# Allegro board EVK1_BM92T30-HOST-EVK-101_BRD_REV03_2016-02-26.brd
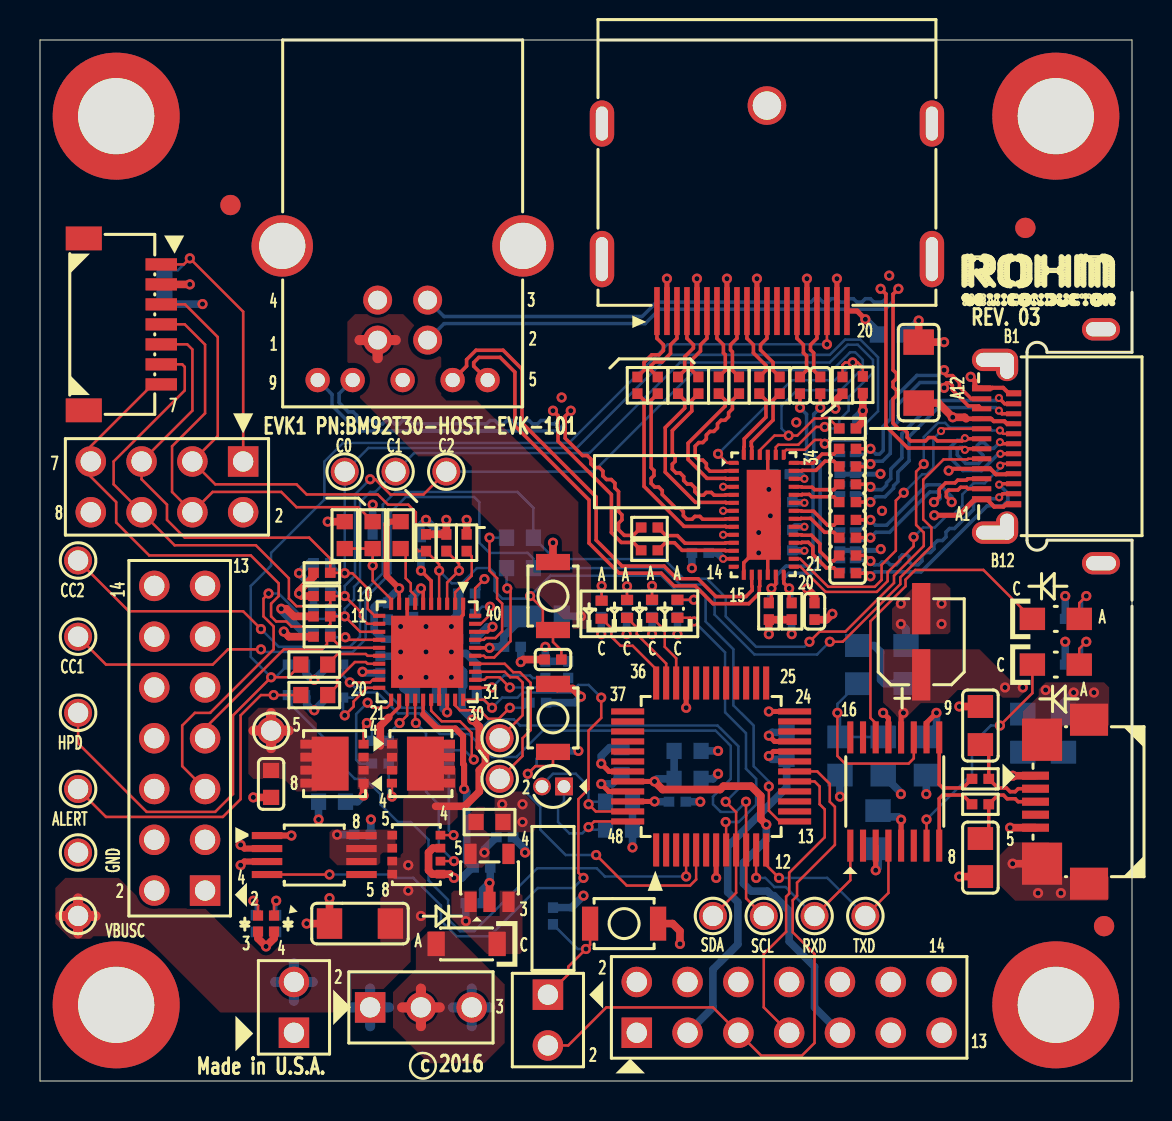
[diagram p0: board, top side]
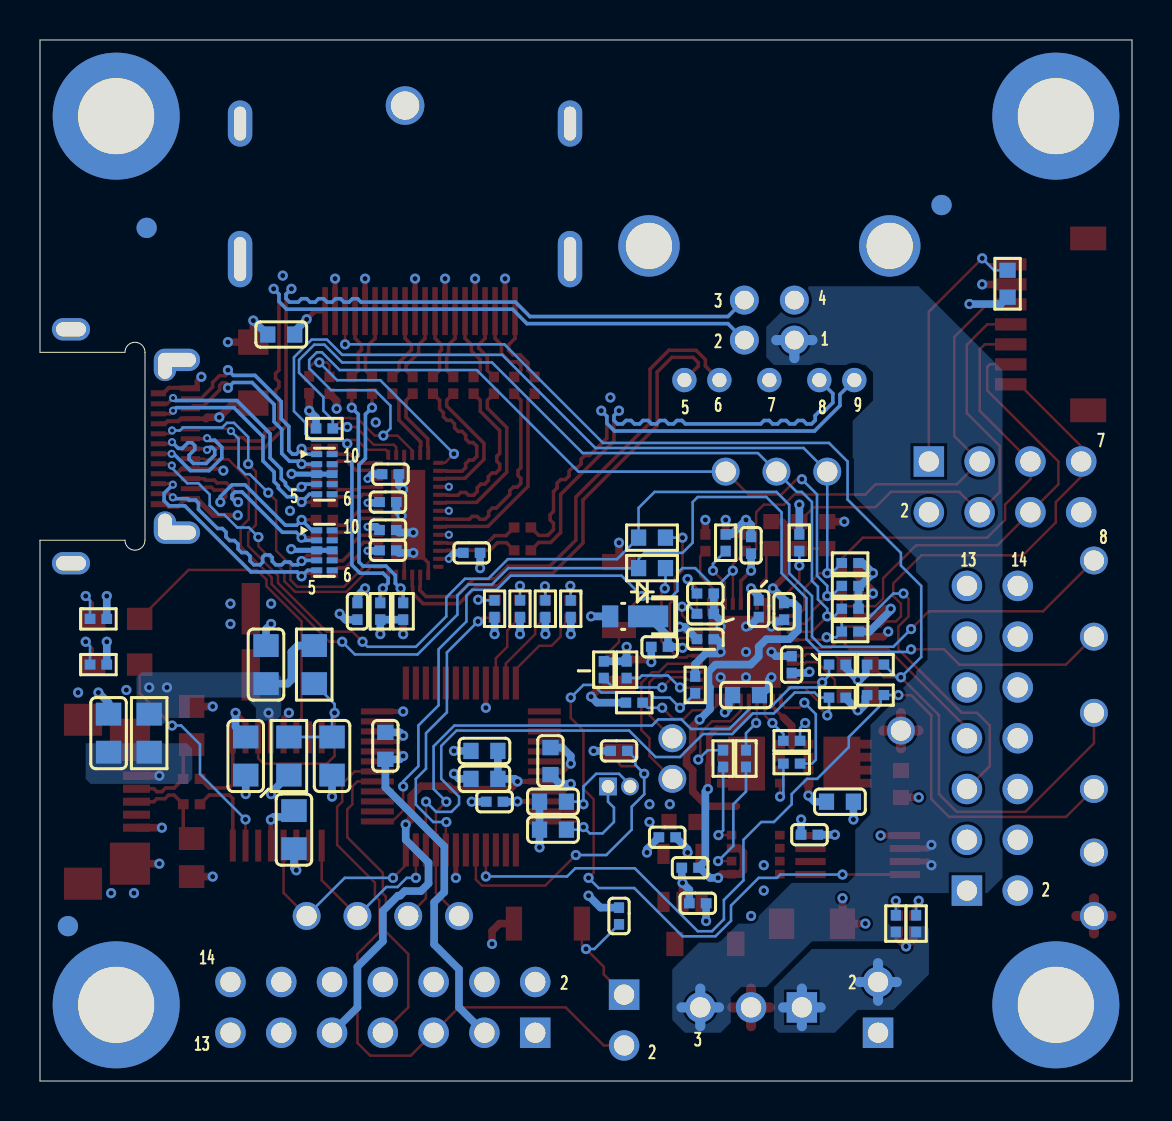
[diagram p1: board, bottom side, seen from below]

Outline 54.61 x 52.07 mm; copper layers: TOP, L2_GND, L3_PWR, BOTTOM. Coordinates in mm from the lower left corner of the outline.
Outline path: 0,52.07 0,0 54.61,0 54.61,27.05 50.36,27.05 arc(49.86,26.55) 49.36,27.05 49.36,36.45 arc(49.86,36.95) 50.36,36.45 54.61,36.45 54.61,52.07 0,52.07

## Design rules (mm)
net group AUX: nets AUX+ AUX-
net group AUX_C: nets N13959643 N13959647
net group D: nets D+ D-
net group D0: nets D0+ D0-
net group D0_R: nets D0N- D0P+
net group D1: nets D1+ D1-
net group D1_R: nets D1N- D1P+
net group D2: nets D2+ D2-
net group D2_R: nets D2N- D2P+
net group D3: nets D3+ D3-
net group D3_R: nets D3N- D3P+
net group PWR: nets VDDL VPP
net group RX: nets RX+ RX-
net group RX1: nets RX1+ RX1-
net group RX1_C: nets N13960469 N13960497
net group RX2: nets RX2+ RX2-
net group RX2_C: nets N13960387 N13960395
net group TX: nets TX+ TX-
net group TX1: nets TX1+ TX1-
net group TX1_C: nets N13960473 N13960481
net group TX2: nets TX2+ TX2-
net group TX2_C: nets N13960433 N13960453
net group TX_R: nets TXN- TXP+
net group USB: nets N13965575 N13965599
net group USB_R: nets N13965855 N13965859

## Placement (name value [footprint] x y rotation side)
C1  10uF  [C1206]  16 7.87 0 top
C2  0.47uF  [C0402]  23.24 12.19 180 bottom
C3  0.47uF  [C0402]  21.72 8.89 180 bottom
C5  0.01uF  [C0402]  17.4 23.5 90 bottom
C6  1uF  [C0603]  14.61 13.97 0 bottom
C7  1uF  [C0603]  19.3 19.3 180 bottom
C8  1uF  [C0402]  22.1 10.67 180 bottom
C9  1uF  [C0402]  18.67 23.62 270 bottom
C10  1uF  [C0402]  16.13 12.32 180 bottom
C11  1uF  [C0402]  17.02 20.83 270 bottom
C12  1uF  [C0603]  11.56 14.86 90 top
C14  0.01uF  [C0402]  25.65 21.08 0 top
C15  4.7uF  [C0402]  19.05 26.8 270 bottom
C16  1uF  [C0402]  21.34 24.38 0 bottom
C17  1uF  [C0402]  21.34 23.37 0 bottom
C18  1uF  [C0402]  21.34 22.1 0 bottom
C19  1uF  [C0402]  23.62 21.72 180 bottom
C30  1uF  [C0603]  29.08 16 90 bottom
C31  1uF  [C0603]  37.34 16.76 270 bottom
C32  1uF  [C0603]  32.38 16.51 180 bottom
C33  1uF  [C0603]  32.38 15.11 180 bottom
C34  DNP  [C0603]  28.96 13.97 0 bottom
C35  DNP  [C0603]  28.96 12.57 0 bottom
C36  0.1uF  [C0402]  31.88 13.97 180 bottom
C37  0.1uF  [C0402]  25.65 16.51 180 bottom
C38  0.1uF  [C0402]  25.65 8.26 270 bottom
C40  4.7uF  [ECE-V1EA4R7SR]  44.07 21.97 0 top
C41  0.1uF  [C0805]  43.31 20.83 270 bottom
C42  0.1uF  [C0805]  41.91 12.57 270 bottom
C43  0.01uF  [C0805]  51.18 17.4 270 bottom
C44  47pF  [C0805]  47.03 17.78 270 top
C45  47pF  [C0805]  47.03 11.18 90 top
C46  0.01uF  [C0805]  40.01 16.26 90 bottom
C47  0.1uF  [C0805]  44.32 16.26 90 bottom
C76  10uF  [C0603]  42.55 37.34 0 bottom
C77  0.1uF  [C0402]  38.73 23.5 270 bottom
C78  0.1uF  [C0402]  37.21 27.56 180 bottom
C79  0.1uF  [C0402]  37.08 30.35 180 bottom
C80  0.1uF  [C0402]  33.02 26.42 180 bottom
C81  0.1uF  [C0402]  37.21 28.96 180 bottom
C82  0.1uF  [C0402]  38.73 23.5 270 top
C83  0.1uF  [C0402]  37.21 26.54 180 bottom
C84  100uF  [C1206]  43.94 35.43 90 top
C85  0.1uF  [C0402]  40.39 31.62 0 top
C86  0.1uF  [C0402]  40.39 30.73 0 top
C87  0.1uF  [C0402]  40.39 29.84 0 top
C88  0.1uF  [C0402]  40.39 28.96 0 top
C89  0.1uF  [C0402]  40.39 28.07 0 top
C90  0.1uF  [C0402]  40.39 27.18 0 top
C91  0.1uF  [C0402]  40.39 26.29 0 top
C92  0.1uF  [C0402]  40.39 25.4 0 top
C93  0.1uF  [C0402]  38.01 34.8 270 top
C94  0.1uF  [C0402]  39.02 34.8 270 top
D1  RBE2VA(M)20A  [RBE2VAM20A]  25.15 23.24 270 bottom
D2  20V 3A  [SOD-123F]  21.34 6.86 270 top
D10  LED  [LED0402]  31.88 23.62 90 top
D11  LED  [LED0402]  28.09 23.58 90 top
D12  LED  [LED0402]  29.36 23.62 90 top
D13  LED  [LED0402]  30.61 23.62 90 top
D14  Dual LED  [LED0404-DUAL]  11.3 7.87 180 top
EEPROM-IF  7 HEADER  [SM07B-SRSS-TB]  4.06 37.85 270 top
FB1  600R/0.5A  [FB0805]  49.15 17.4 270 bottom
J1  3 position header  [HDR_THVT_1X3_100]  16.51 3.68 0 top
J2  2 position header  [HDR_THVT_1X2_100]  12.7 2.41 90 top
J3  MCU Debug  [HDR_THVT_2X7_100]  29.84 2.41 0 top
J4  2 position header  [HDR_THVT_1X2_100]  25.4 4.32 270 top
J5  USB-PD Debug  [HDR_THVT_2X7_100]  8.26 9.53 90 top
J11  Micro-B USB  [ZX62R-B-5P]  52.46 13.97 90 top
J12  67997-408HLF  [HDR_2X4_100_VERT]  10.16 30.99 180 top
LED3  Green  [LED0805]  50.8 23.11 0 top
LED4  Yellow  [LED0805]  50.8 20.83 0 top
NOREF  -  []  10.92 96.44 180 top
NOREF#2  -  []  -16.25 178.63 0 top
NOREF#3  -  []  213.74 112.46 0 top
NOREF#4  -  []  24.51 119.81 270 top
NOREF#5  -  []  119.64 96.44 0 top
NOREF#6  -  []  187.58 119.81 270 top
NOREF#7  -  []  52.71 97.46 0 top
NOREF#8  -  []  -16.25 178.63 0 top
NOREF#9  -  []  146.81 178.63 0 top
NOREF#10  -  []  173.99 96.44 0 top
NOREF#11  -  []  50.68 112.46 0 top
NOREF#12  -  []  248.03 87.81 0 top
NOREF#13  -  []  -35.94 187.26 0 top
NOREF#14  -  []  228.35 96.44 180 top
NOREF#15  -  []  240.92 97.46 0 top
NOREF#16  -  []  78.87 119.81 270 top
NOREF#17  -  []  241.94 119.81 270 top
NOREF#18  -  []  242.95 95.43 0 top
NOREF#19  -  []  -29.84 155.37 270 top
NOREF#20  -  [unnamed#2]  3.81 48.26 90 top
NOREF#21  -  []  -1.65 97.46 0 top
NOREF#22  -  [unnamed#2]  50.8 3.81 90 top
NOREF#23  -  []  215.78 97.46 0 top
NOREF#24  -  []  -28.83 177.61 0 top
NOREF#25  -  []  105.03 112.46 0 top
NOREF#26  -  []  24.51 155.37 270 top
NOREF#27  -  []  132.21 97.46 0 top
NOREF#28  -  []  187.58 155.37 270 top
NOREF#29  -  []  -35.94 187.26 0 top
NOREF#30  -  []  0 52.07 0 top
NOREF#31  -  []  10.92 96.44 0 top
NOREF#32  -  []  -35.94 87.81 0 top
NOREF#33  -  []  214.76 155.37 270 top
NOREF#34  -  []  -29.9 183.46 0 top
NOREF#35  -  []  -29.84 119.81 0 top
NOREF#36  -  []  -3.68 112.46 0 top
NOREF#37  -  []  38.1 178.63 0 top
NOREF#38  -  []  241.7 183.46 0 top
NOREF#39  -  []  160.4 155.37 270 top
NOREF#40  -  [unnamed#3]  9.53 43.81 90 top
NOREF#41  -  [unnamed#2]  50.8 48.26 90 top
NOREF#42  -  [unnamed#3]  53.21 7.75 90 top
NOREF#43  -  []  186.57 97.46 0 top
NOREF#44  -  []  -2.66 119.81 270 top
NOREF#45  -  []  92.46 178.63 0 top
NOREF#46  -  []  -30.86 95.43 0 top
NOREF#47  -  []  106.05 119.81 270 top
NOREF#48  -  []  160.4 119.81 270 top
NOREF#49  -  []  133.23 119.81 270 top
NOREF#50  -  []  159.39 112.46 0 top
NOREF#51  -  []  -35.94 87.81 0 top
NOREF#52  -  []  23.5 97.46 0 top
NOREF#53  -  []  65.28 96.44 0 top
NOREF#54  -  []  161.42 97.46 0 top
NOREF#55  -  []  201.17 178.63 0 top
NOREF#56  -  []  201.17 178.63 0 top
NOREF#57  -  []  65.28 96.44 180 top
NOREF#58  -  []  241.68 91.6 0 top
NOREF#59  -  []  133.23 155.37 270 top
NOREF#60  -  []  51.69 119.81 270 top
NOREF#61  -  []  -30.86 179.64 0 top
NOREF#62  -  []  119.64 96.44 180 top
NOREF#63  -  []  38.1 178.63 0 top
NOREF#64  -  [unnamed#2]  3.81 3.81 90 top
NOREF#65  -  []  51.69 155.37 270 top
NOREF#66  -  []  -2.66 155.37 270 top
NOREF#67  -  []  241.94 155.37 270 top
NOREF#68  -  []  173.99 96.44 180 top
NOREF#69  -  []  92.46 178.63 0 top
NOREF#70  -  []  25.53 112.46 0 top
NOREF#71  -  []  -29.9 183.46 0 top
NOREF#72  -  []  134.24 112.46 0 top
NOREF#73  -  [unnamed#3]  49.28 42.67 90 top
NOREF#74  -  []  -29.6 91.6 0 top
NOREF#75  -  []  -28.83 112.46 0 top
NOREF#76  -  []  -164.34 -93.87 0 top
NOREF#77  -  []  214.76 119.81 270 top
NOREF#78  -  []  106.05 155.37 270 top
NOREF#79  -  []  -29.84 155.37 0 top
NOREF#80  -  []  77.85 97.46 0 top
NOREF#81  -  []  -30.86 95.43 0 top
NOREF#82  -  []  -29.84 119.81 270 top
NOREF#83  -  []  248.03 87.81 90 top
NOREF#84  -  []  -126.87 -52.02 0 top
NOREF#85  -  []  228.35 96.44 0 top
NOREF#86  -  []  -28.83 112.46 0 top
NOREF#87  -  []  79.89 112.46 0 top
NOREF#88  -  []  107.06 97.46 0 top
NOREF#89  -  []  188.6 112.46 0 top
NOREF#90  -  []  146.81 178.63 0 top
NOREF#91  -  []  78.87 155.37 270 top
NOREF#92  -  []  -29.6 91.6 0 top
NOREF#93  -  [unnamed#3]  49.28 42.67 90 bottom
NOREF#94  -  [unnamed#3]  53.21 7.75 90 bottom
NOREF#95  -  [unnamed#3]  9.53 43.81 90 bottom
Q1  -  [RQ3E180BN]  19.05 15.88 270 top
Q2  -  [RQ3E180BN]  14.73 15.88 90 top
Q3  -  [QS8K13]  18.82 11.32 90 top
R1  1k  [R0603]  18.03 27.3 90 top
R2  0  [R0402]  17.02 15.88 0 bottom
R3  0  [R0402]  17.02 17.02 180 bottom
R4  0  [R0402]  19.3 16.13 270 bottom
R5  0  [R0402]  20.45 16.13 270 bottom
R6  10k  [R0402]  14.73 19.18 180 bottom
R7  10k  [R0402]  14.73 20.83 180 bottom
R8  100k  [R0402]  12.83 20.83 0 bottom
R9  100k  [R0402]  12.83 19.3 0 bottom
R10  100k  [R0402]  14.1 22.48 180 bottom
R11A  100k  [R0402]  16.64 26.92 270 bottom
R11B  Open  [R0603]  15.24 27.3 90 top
R12  0  [R0603]  6.22 39.88 270 bottom
R13  100k  [R0402]  24.89 18.92 180 bottom
R14  100k  [R0402]  21.84 19.81 270 bottom
R15A  100k  [R0402]  14.1 25.91 0 bottom
R15B  100k  [R0402]  14.1 25.42 180 top
R16A  100k  [R0402]  14.1 24.77 0 bottom
R16B  100k  [R0402]  14.1 24.26 180 top
R17A  100k  [R0402]  14.1 23.62 0 bottom
R17B  100k  [R0402]  14.1 23.24 180 top
R18  100k  [R0402]  14.1 22.23 0 top
R19  100k  [R0402]  20.32 26.92 270 bottom
R20  100k  [R0402]  20.32 26.92 90 top
R21  100k  [R0402]  19.3 26.92 90 top
R22  0  [R0603]  13.72 20.83 180 top
R23  0  [R0603]  13.72 19.3 180 top
R25  15K  [R0805]  42.16 16.26 90 bottom
R26  0  [R0603]  16.64 27.3 90 top
R27  0  [R0402]  36.45 23.5 90 bottom
R28  0  [R0402]  36.45 23.5 90 top
R29  0  [R0402]  37.59 23.5 90 bottom
R30  0  [R0402]  37.59 23.5 90 top
R31  100k  [R0402]  25.27 20.57 90 bottom
R32  100k  [R0402]  26.42 20.57 90 bottom
R37  10k  [R0402]  21.34 26.92 90 top
R40  0  [R0603]  22.48 12.95 0 top
R41  330  [R0402]  30.61 23.62 270 bottom
R42  330  [R0402]  29.34 23.62 270 bottom
R43  330  [R0402]  28.07 23.62 270 bottom
R44  330  [R0402]  31.88 23.62 270 bottom
R45  10K  [R0805]  40.89 20.83 90 bottom
R46  270  [R0402]  51.69 23.11 180 bottom
R47  270  [R0402]  51.69 20.83 180 bottom
R48  27  [R0402]  47.03 15.11 180 top
R49  27  [R0402]  47.03 13.84 180 top
R50  NC  [R0402]  41.15 34.82 90 top
R51  NC  [R0402]  40.39 32.64 180 top
R52  NC  [R0402]  40.39 32.64 180 bottom
R53  4.7K  [R0402]  40.13 34.8 270 top
R54  0  [R0402]  36.99 34.8 270 top
R55  0  [R0402]  35.97 34.8 270 top
R56  0  [R0402]  34.96 34.8 270 top
R57  0  [R0402]  33.94 34.8 270 top
R58  0  [R0402]  32.93 34.8 270 top
R59  0  [R0402]  31.91 34.8 270 top
R60  0  [R0402]  30.89 34.8 270 top
R61  0  [R0402]  29.88 34.8 270 top
R62  0  [R0402]  30.48 26.54 0 top
R63  0  [R0402]  30.48 27.69 0 top
R101  0  [R0603]  24 27.18 180 bottom
R102  0  [R0603]  24 25.65 180 bottom
R155  3.3K  [R0402]  11.81 7.87 90 bottom
R156  3.3K  [R0402]  10.79 7.87 90 bottom
SW1  -  [B3U-1000P]  25.65 24.26 270 top
SW2  -  [B3U-1000P]  25.65 18.16 270 top
SW3  -  [B3U-1000P]  29.21 7.87 180 top
TP0  TEST POINT  [TP_D040C055]  22.99 17.14 270 top
TP1  TEST POINT  [TP_D040C055]  22.99 15.11 270 top
TP2  TEST POINT  [TP_D040C055]  11.56 17.53 270 top
TP3  TEST POINT  [TP_D040C055]  33.66 8.26 90 top
TP4  TEST POINT  [TP_D040C055]  36.2 8.26 90 top
TP5  TEST POINT  [TP_D040C055]  38.73 8.26 90 top
TP6  TEST POINT  [TP_D040C055]  41.27 8.26 90 top
TP7  TEST POINT  [TP_D040C055]  15.24 30.48 180 top
TP8  TEST POINT  [TP_D040C055]  20.32 30.48 180 top
TP9  TEST POINT  [TP_D040C055]  17.78 30.48 180 top
TP10  TEST POINT  [TP_D040C055]  1.91 8.26 270 top
TP11  TEST POINT  [TP_D040C055]  1.91 22.23 270 top
TP12  TEST POINT  [TP_D040C055]  1.91 26.04 270 top
TP13  TEST POINT  [TP_D040C055]  1.91 18.41 270 top
TP14  TEST POINT  [TP_D040C055]  1.91 14.61 270 top
TP15  TEST POINT  [TP_D040C055]  1.91 11.43 270 top
U1  -  [BM92T30MWV]  19.36 21.47 270 top
U2  -  [BD82065FVJ]  13.72 11.3 270 top
U4  BU33TD3WG-TR  [SSOP5]  22.48 10.16 180 top
U5  -  [FT230XS-R]  42.75 14.48 0 top
U6  -  [ML610Q482]  33.56 15.73 90 top
U23  Type-C recep.  [DX07B024JJ1-S]  47.76 31.75 90 top
U24  -  [PI3USB30532]  36.2 28.32 0 top
U25  -  [TPD4E05U06]  40.39 30.35 270 bottom
U26  -  [TPD4E05U06]  40.39 26.54 270 bottom
U27  -  [DP1RD20JQ1R400]  36.35 45.94 180 top
U28  -  [E8199-030-01]  18.14 38.06 180 top
X1  32.768KHz  [AB26T-32P768KHZ]  25.65 14.73 180 top

## Library data of the parts
C1 C5-C12 C14-C19 C34 C35 C76-C94 = C_0.1u_0402
C2 C3 = C_2
C30-C33 C36-C38 = C_0.1u_0402: room: FTDI
C40 = C-POL_0: room: FTDI
C41-C47 = C_2: room: FTDI
D1 = DIODE SCHOTTKY
D2 = SCHOTTKY
D10-D13 = LED
D14 = LED_DUAL
EEPROM-IF = 7 HEADER
FB1 = FerriteBead_5: room: FTDI
J1 = 3-PIN Jumper
J2 J4 = 2-PIN Jumper
J3 J5 = 14 HEADER
J11 = CONN PCB 5_0: room: FTDI
J12 = HDR_2X4
LED3 LED4 = LED_1: signal model: LEDdriver; room: FTDI
Q1 Q2 = MOSFET_EN_DGS_4
Q3 = MOSFET_EN_DGS_3
R1-R10 R11A R11B R12-R14 R15A R15B R16A R16B R17A R17B R18-R23 R26-R32 R37 R41-R44 R50-R63 R101 R102 = CHIP RES0402
R25 R45-R49 = RES_1K_1%_1/8W_0805PKG: signal model: LEDdriver; room: FTDI
R40 = RES_1K_1%_1/8W_0805PKG
R155 R156 = RES_10K_1%_1/8W_0805PKG
SW1-SW3 = SW PUSHBUTTON-SPST_3
TP0-TP15 = TEST POINT
U1 = BM92T30MWV_4
U2 = BD82065FVJ_0
U4 = BD3570HFP_2
U5 = FT230XS-R_1: room: FTDI
U6 = ML610Q482_1
U23 = Type-C recep_0.
U24 = PI3USB30532_0
U25 U26 = TPD4E05U06_0
U27 = DP1RD20JQ1R400_DFP_0
U28 = 10117835-002LF_1
X1 = OSC_0

## Footprints (pads in the part's own frame, mm; a bottom-side part is the same pattern mirrored in y, then rotated)
AB26T-32P768KHZ
  rect 0.889x0.889 hole 0.635: 1(-0.55,0)
  round 0.889 hole 0.635: 2(0.55,0)
B3U-1000P
  rect 0.813x1.702 smd: 1(1.7,0) 2(-1.7,0)
BD82065FVJ
  rect 0.356x1.524 smd: 1(-0.975,-2.362) 2(-0.325,-2.362) 3(0.325,-2.362) 4(0.975,-2.362) 5(0.975,2.362) 6(0.325,2.362) 7(-0.325,2.362) 8(-0.975,2.362)
BM92T30MWV
  rect 0.61x0.203 smd: 1(-2.4,1.8) 2(-2.4,1.4) 3(-2.4,1) 4(-2.4,0.6) 5(-2.4,0.2) 6(-2.4,-0.2) 7(-2.4,-0.6) 8(-2.4,-1) 9(-2.4,-1.4) 10(-2.4,-1.8) 21(2.4,-1.8) 22(2.4,-1.4) 23(2.4,-1) 24(2.4,-0.6) 25(2.4,-0.2) 26(2.4,0.2) 27(2.4,0.6) 28(2.4,1) 29(2.4,1.4) 30(2.4,1.8)
  rect 0.203x0.61 smd: 11(-1.8,-2.4) 12(-1.4,-2.4) 13(-1,-2.4) 14(-0.6,-2.4) 15(-0.2,-2.4) 16(0.2,-2.4) 17(0.6,-2.4) 18(1,-2.4) 19(1.4,-2.4) 20(1.8,-2.4) 31(1.8,2.4) 32(1.4,2.4) 33(1,2.4) 34(0.6,2.4) 35(0.2,2.4) 36(-0.2,2.4) 37(-0.6,2.4) 38(-1,2.4) 39(-1.4,2.4) 40(-1.8,2.4)
  rect 3.607x3.607 smd: EPAD(0,0)
C0402
  rect 0.533x0.508 smd: 1(-0.419,0) 2(0.419,0)
C0603
  rect 0.762x0.813 smd: 1(-0.673,0) 2(0.673,0)
C0805
  rect 1.143x1.27 smd: 1(-0.953,0) 2(0.953,0)
C1206
  rect 1.27x1.524 smd: 1(-1.524,0) 2(1.524,0)
DP1RD20JQ1R400
  oval 1.219x2.819 hole 0.61x2.21: (-8.25,4.835) (8.25,4.835)
  oval 1.219x2.311 hole 0.61x1.702: (-8.25,-1.945) (8.25,-1.945)
  round 1.93 hole 1.422 unplated: (0,-2.845)
  rect 0.28x2.4 smd: 1(5.5,7.435) 2(5,7.435) 3(4.5,7.435) 4(4,7.435) 5(3.5,7.435) 6(3,7.435) 7(2.5,7.435) 8(2,7.435) 9(1.5,7.435) 10(1,7.435) 11(0.5,7.435) 12(0,7.435) 13(-0.5,7.435) 14(-1,7.435) 15(-1.5,7.435) 16(-2,7.435) 17(-2.5,7.435) 18(-3,7.435) 19(-3.5,7.435) 20(-4,7.435)
DX07B024JJ1-S
  oval 1.118x1.905 hole 0.711x1.499: (-5.85,-5.3) (5.85,-5.3)
  oval 1.118x2.311 hole 0.7x1.9: (-4.32,0) (4.32,0)
  oval 1.524x1.118 hole 1.3x0.7: (-4.02,-0.6) (4.02,-0.6)
  rect 0.305x0.965 smd: A1(-2.65,0.67) A12(2.9,0.67)
  rect 0.254x0.965 smd: A2(-2.125,0.67) A3(-1.625,0.67) A4(-1.125,0.67) A5(-0.625,0.67) A6(-0.125,0.67) A7(0.375,0.67) A8(0.875,0.67) A9(1.375,0.67) A10(1.875,0.67) A11(2.375,0.67)
  rect 0.305x0.762 smd: B1(2.65,-0.93) B12(-2.9,-0.93)
  rect 0.254x0.762 smd: B2(2.125,-0.93) B3(1.625,-0.93) B4(1.125,-0.93) B5(0.625,-0.93) B6(0.125,-0.93) B7(-0.375,-0.93) B8(-0.875,-0.93) B9(-1.375,-0.93) B10(-1.875,-0.93) B11(-2.375,-0.93)
E8199-030-01
  round 1.448 hole 0.94: 1(1.25,1) 2(-1.25,1) 3(-1.25,-1) 4(1.25,-1)
  round 1.219 hole 0.711: 5(-4.25,3) 6(-2.5,3) 7(0,3) 8(2.5,3) 9(4.25,3)
  round 3.073 hole 2.311: 10(-6.02,-3.71) 11(6.02,-3.71)
ECE-V1EA4R7SR
  rect 0.914x2.565 smd: 1(0,-1.656) 2(0,1.656)
FB0805
  rect 1.143x1.27 smd: 1(-0.953,0) 2(0.953,0)
FT230XS-R
  rect 0.305x1.6 smd: 1(-2.223,-2.705) 2(-1.587,-2.705) 3(-0.953,-2.705) 4(-0.318,-2.705) 5(0.318,-2.705) 6(0.953,-2.705) 7(1.587,-2.705) 8(2.223,-2.705) 9(2.223,2.705) 10(1.587,2.705) 11(0.953,2.705) 12(0.318,2.705) 13(-0.318,2.705) 14(-0.953,2.705) 15(-1.587,2.705) 16(-2.223,2.705)
HDR_2X4_100_VERT
  rect 1.524x1.524 hole 1.016: 1(0,0)
  round 1.524 hole 1.016: 2(0,2.54) 3(2.54,0) 4(2.54,2.54) 5(5.08,0) 6(5.08,2.54) 7(7.62,0) 8(7.62,2.54)
HDR_THVT_1X2_100
  rect 1.524x1.524 hole 1.016: 1(0,0)
  round 1.524 hole 1.016: 2(2.54,0)
HDR_THVT_1X3_100
  rect 1.524x1.524 hole 1.016: 1(0,0)
  round 1.524 hole 1.016: 2(2.54,0) 3(5.08,0)
HDR_THVT_2X7_100
  rect 1.524x1.524 hole 1.016: 1(0,0)
  round 1.524 hole 1.016: 2(0,2.54) 3(2.54,0) 4(2.54,2.54) 5(5.08,0) 6(5.08,2.54) 7(7.62,0) 8(7.62,2.54) 9(10.16,0) 10(10.16,2.54) 11(12.7,0) 12(12.7,2.54) 13(15.24,0) 14(15.24,2.54)
LED0402
  rect 0.508x0.61 smd: 1(-0.45,0) 2(0.45,0)
LED0404-DUAL
  rect 0.508x0.508 smd: 1(-0.4,-0.4) 2(0.4,-0.4) 3(0.4,0.4) 4(-0.4,0.4)
LED0805
  rect 1.27x1.118 smd: A(1.172,0) C(-1.172,0)
ML610Q482
  rect 1.651x0.305 smd: 1(-4.175,2.75) 2(-4.175,2.25) 3(-4.175,1.75) 4(-4.175,1.25) 5(-4.175,0.75) 6(-4.175,0.25) 7(-4.175,-0.25) 8(-4.175,-0.75) 9(-4.175,-1.25) 10(-4.175,-1.75) 11(-4.175,-2.25) 12(-4.175,-2.75) 25(4.175,-2.75) 26(4.175,-2.25) 27(4.175,-1.75) 28(4.175,-1.25) 29(4.175,-0.75) 30(4.175,-0.25) 31(4.175,0.25) 32(4.175,0.75) 33(4.175,1.25) 34(4.175,1.75) 35(4.175,2.25) 36(4.175,2.75)
  rect 0.305x1.651 smd: 13(-2.75,-4.175) 14(-2.25,-4.175) 15(-1.75,-4.175) 16(-1.25,-4.175) 17(-0.75,-4.175) 18(-0.25,-4.175) 19(0.25,-4.175) 20(0.75,-4.175) 21(1.25,-4.175) 22(1.75,-4.175) 23(2.25,-4.175) 24(2.75,-4.175) 37(2.75,4.175) 38(2.25,4.175) 39(1.75,4.175) 40(1.25,4.175) 41(0.75,4.175) 42(0.25,4.175) 43(-0.25,4.175) 44(-0.75,4.175) 45(-1.25,4.175) 46(-1.75,4.175) 47(-2.25,4.175) 48(-2.75,4.175)
PI3USB30532
  custom 0.508x0.203 smd: 1(-1.5,2.6) 14(-1.5,-2.6) 21(1.5,-2.6) 34(1.5,2.6)
  rect 0.508x0.203 smd: 2(-1.5,2.2) 3(-1.5,1.8) 4(-1.5,1.4) 5(-1.5,1) 6(-1.5,0.6) 7(-1.5,0.2) 8(-1.5,-0.2) 9(-1.5,-0.6) 10(-1.5,-1) 11(-1.5,-1.4) 12(-1.5,-1.8) 13(-1.5,-2.2) 22(1.5,-2.2) 23(1.5,-1.8) 24(1.5,-1.4) 25(1.5,-1) 26(1.5,-0.6) 27(1.5,-0.2) 28(1.5,0.2) 29(1.5,0.6) 30(1.5,1) 31(1.5,1.4) 32(1.5,1.8) 33(1.5,2.2)
  custom 0.203x0.508 smd: 15(-1,-3) 20(1,-3) 35(1,3) 40(-1,3)
  rect 0.203x0.508 smd: 16(-0.6,-3) 17(-0.2,-3) 18(0.2,-3) 19(0.6,-3) 36(0.6,3) 37(0.2,3) 38(-0.2,3) 39(-0.6,3)
  rect 1.702x4.496 smd: 41(0,0)
QS8K13
  rect 0.432x0.483 smd: 1(-0.975,-1.205) 2(-0.325,-1.205) 3(0.325,-1.205) 4(0.975,-1.205) 5(0.975,1.205) 6(0.325,1.205) 7(-0.325,1.205) 8(-0.975,1.205)
R0402
  rect 0.533x0.508 smd: 1(-0.419,0) 2(0.419,0)
R0603
  rect 0.762x0.813 smd: 1(-0.673,0) 2(0.673,0)
R0805
  rect 1.143x1.27 smd: 1(-0.953,0) 2(0.953,0)
RBE2VAM20A
  rect 1.092x0.813 smd: 1(0,-0.95)
  rect 1.092x2.007 smd: 2(0,0.95)
RQ3E180BN
  rect 0.432x0.508 smd: 1(-0.975,-1.45) 2(-0.325,-1.45) 3(0.325,-1.45) 4(0.975,-1.45) 5(0.975,1.45) 6(0.325,1.45) 7(-0.325,1.45) 8(-0.975,1.45)
SM07B-SRSS-TB
  rect 1.194x1.803 smd: (-4.3,-1.875) (4.3,-1.875)
  rect 0.61x1.575 smd: 1(-3,2) 2(-2,2) 3(-1,2) 4(0,2) 5(1,2) 6(2,2) 7(3,2)
SOD-123F
  rect 1.219x0.864 smd: A(0,-1.525) C(0,1.525)
SSOP5
  rect 0.61x1.016 smd: 1(0.95,1.2) 2(0,1.2) 3(-0.95,1.2) 4(-0.95,-1.2) 5(0.95,-1.2)
TP_D040C055
  round 1.397 hole 1.016: 1(0,0)
TPD4E05U06
  rect 0.3x0.55 smd: 1(-1,-0.385) 2(-0.5,-0.385) 4(0.5,-0.385) 5(1,-0.385) 6(1,0.385) 7(0.5,0.385) 9(-0.5,0.385) 10(-1,0.385)
  rect 0.4x0.55 smd: 3(0,-0.385) 8(0,0.385)
unnamed#2
  round 6.35 hole 3.81: (0,0)
unnamed#3
  round 1.016 smd: 1(0,0)
ZX62R-B-5P
  rect 0.406x1.346 smd: 1(1.3,2.675) 2(0.65,2.675) 3(0,2.675) 4(-0.65,2.675) 5(-1.3,2.675)
  rect 1.6x1.905 smd: 6(-4.1,0) 7(4.1,0)
  rect 2.108x2.007 smd: 8(-3.1,2.35) 9(3.1,2.35)

## Nets
3V3: C42.2 C47.2 R46.2 R47.2 U5.3(VCCIO) U5.10(3V3OUT)
GND: C1.1 C2.1 C3.1 C5.1 C6.1 C7.2 C8.1 C9.2 C10.1 C11.1 C12.1 C14.1 C15.1 C16.1 C17.1 C18.1 C19.1 C30.1 C31.1 C32.1 C33.1 C34.2 C35.2 C36.1 C37.1 C38.1 C40.2 C41.1 C42.1 C43.1 C44.1 C45.1 C46.1 C47.1 C76.2 C77.2 C78.2 C79.2 C80.2 C81.2 C82.2 C83.2 C84.2 D14.3(K2) D14.4(K1) EEPROM-IF.2 J2.1 J3.2 J3.4 J3.6 J3.8 J3.10 J3.12 J5.2 J5.4 J5.6 J5.8 J5.10 J5.12 J11.5 J11.6 J11.7 J11.8 J11.9 J12.2 R11A.1 R13.1 R14.1 R15A.1 R16A.1 R17A.1 R18.1 R19.1 R25.1 R28.1 R30.1 R53.2 SW1.2 SW2.2 SW3.2 TP15.1 U1.1(GND0) U1.8(GND1) U1.27(GND2) U1.EPAD U2.1(GND) U4.2(GND) U5.5(GND1) U5.13(GND2) U6.7(VSS_0) U6.21(VSS_1) U6.33(VSS_2) U6.45(VSS_3) U23.A1(GND4) U23.A12(GND2) U23.B1(GND1) U23.B12(GND3) U24.15(GND1) U24.18(GND2) U24.37(GND3) U24.41(PGND) U25.3(GND1) U25.8(GND2) U26.3(GND1) U26.8(GND2) U27.2(GND0) U27.5(GND1) U27.8(GND2) U27.11(GND3) U27.16(GND4) U27.19(RETURN) U28.4(GND) U28.7(GND_DRAIN) U28.10(SHIELD1) U28.11(SHIELD2)
V3P3: C9.1 C11.2 C30.2 C76.1 C77.1 C78.1 C79.1 C80.1 C81.1 C82.1 C83.1 J3.1 J5.1 J5.13 R6.2 R7.2 R8.2 R9.2 R10.2 R11B.2 R12.2 R15B.2 R16B.2 R17B.2 R27.1 R29.1 R40.2 R41.2 R42.2 R43.2 R44.2 R50.1 R51.1 R52.1 U1.6(VSVR) U1.18(VDDIO) U6.24(VDD_0) U6.43(VDD_1) U24.4(VDD1) U24.7(VDD2) U24.10(VDD3) U24.13(VDD4) U24.23(VDD5) U24.26(VDD6) U24.29(VDD7) U24.32(VDD8) U27.20(DP_PWR)
VCCIN: C15.2 R20.2 R21.2 R31.2 R32.2 R37.2 U1.5(VCCIN)
VDDL: C32.2 C33.2 J3.9 U6.44(VDDL)
VIN: D2.A(ANODE) J1.2
482_ALERT#: R9.1 R23.2 TP14.1 U6.4(P01/EXI1)
482_RXD: TP5.1 U5.1(TXD) U6.11(P42/RXD0)
482_SCL: R6.1 TP4.1 U1.20(SMCLK) U6.10(P41/SCL)
482_SDA: R7.1 TP3.1 U1.19(SMDATA) U6.9(P40/SDA)
482_TXD: TP6.1 U5.4(RXD) U6.12(P43/TXD0)
AUX+: C93.1 U27.15(AUX_CH_P)
AUX-: C94.1 U27.17(AUX_CH_N)
CC1: R102.1 TP11.1 U23.A5(CC1)
CC2: R101.1 TP12.1 U23.B5(CC2)
CONF0: EEPROM-IF.5 J12.5 R15A.2 R15B.1 TP7.1 U1.11(GPIO5/ORIENT/UPSDI) U24.35(CONF0/A1)
CONF1: EEPROM-IF.7 J12.7 R17A.2 R17B.1 R52.2 TP9.1 U1.13(GPIO7/MSEL1/UPSCLK) U24.36(CONF1/SCL)
CONF2: EEPROM-IF.6 J12.6 R16A.2 R16B.1 R51.2 TP8.1 U1.12(GPIO6/MSEL0/UPSDO) U24.38(CONF2/SDA)
D0+: R54.1 U27.12(ML_LANE0_P)
D0-: R55.1 U27.10(ML_LANE0_N)
D0N-: R55.2 U24.40(DP0-)
D0P+: R54.2 U24.39(DP0+)
D1+: R56.1 U27.9(ML_LANE1_P)
D1-: R57.1 U27.7(ML_LANE1_N)
D1N-: R57.2 U24.3(DP1-)
D1P+: R56.2 U24.2(DP1+)
D2+: R58.1 U27.6(ML_LANE2_P)
D2-: R59.1 U27.4(ML_LANE2_N)
D2N-: R59.2 U24.6(DP2-)
D2P+: R58.2 U24.5(DP2+)
D3+: R60.1 U27.3(ML_LANE3_P)
D3-: R61.1 U27.1(ML_LANE3_N)
D3N-: R61.2 U24.9(DP3-)
D3P+: R60.2 U24.8(DP3+)
D+: U23.A6(D2+) U23.B6(D1+) U28.3(D+)
D-: U23.A7(D1-) U23.B7(D2-) U28.2(D-)
DEBUG_VBUS_5V: C40.1 C41.2 FB1.1 R45.2 U5.12(VCC)
HPDOUT: R8.1 R22.2 TP13.1 U27.18(HPD_IN)
RX1+: C91.2 U23.B11(RX1+) U26.4(D2+)
RX1-: C92.2 U23.B10(RX1-) U26.5(D2-)
RX2+: C85.2 U23.A11(RX2+) U25.1(D1+)
RX2-: C86.2 U23.A10(RX2-) U25.2(D1-)
RX+: U24.16(RX+) U28.6(STDA_SSRX+)
RX-: U24.17(RX-) U28.5(STDA_SSRX-)
TX1+: C89.2 U23.A2(TX1+) U26.1(D1+)
TX1-: C90.2 U23.A3(TX1-) U26.2(D1-)
TX2+: C87.2 U23.B2(TX2+) U25.4(D2+)
TX2-: C88.2 U23.B3(TX2-) U25.5(D2-)